# Altium PCB Radio PCB.PcbDoc
Units mil, origin at the board's own origin, x right, y up, seen from the top; angles counter-clockwise.
Board outline 1400 x 1660 mil, 2 copper layers (Top Layer, Bottom Layer); 51 components, 52 nets, 284 pads, 182 vias.
Unrouted connection lines stored in the file: 4.
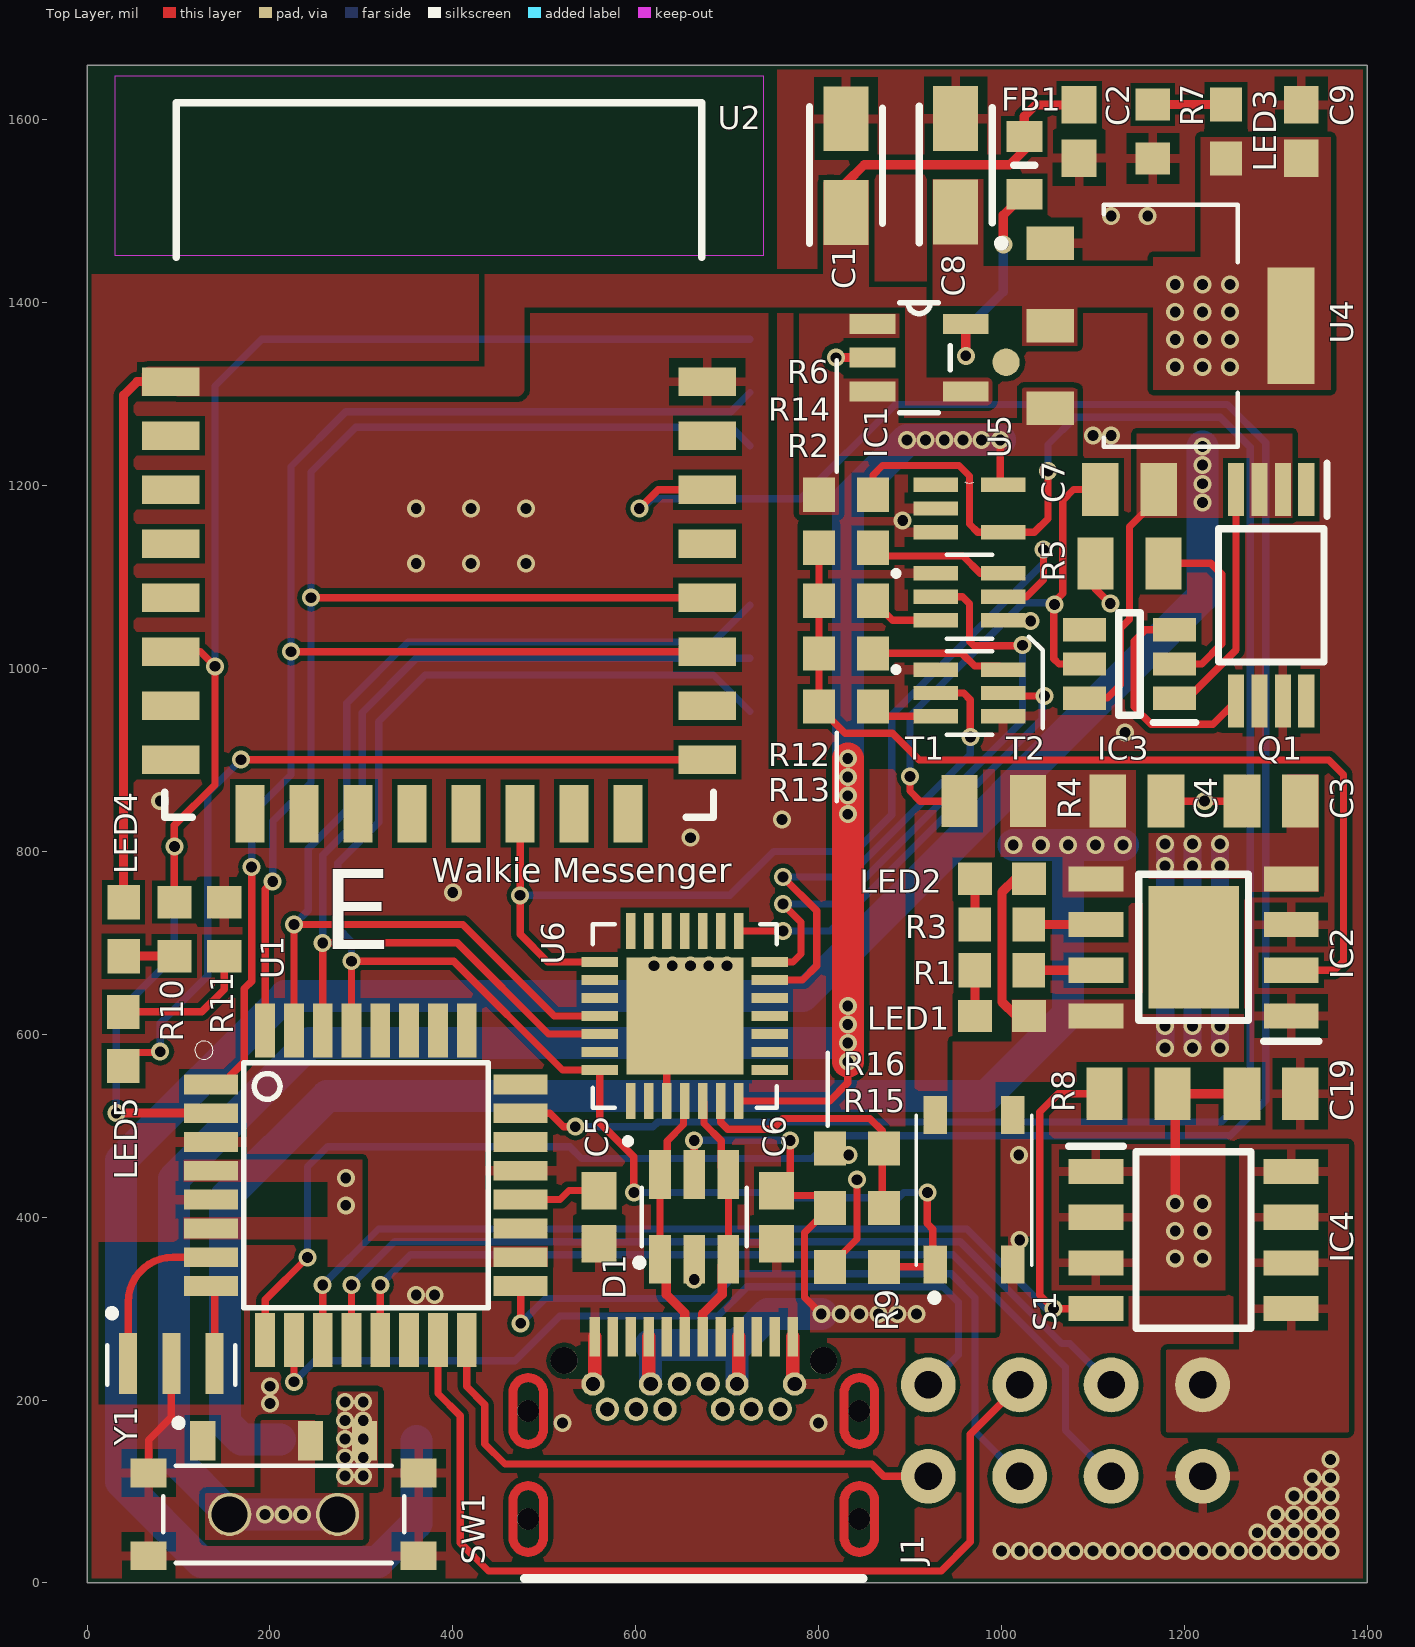
[diagram p0: Top Layer view]
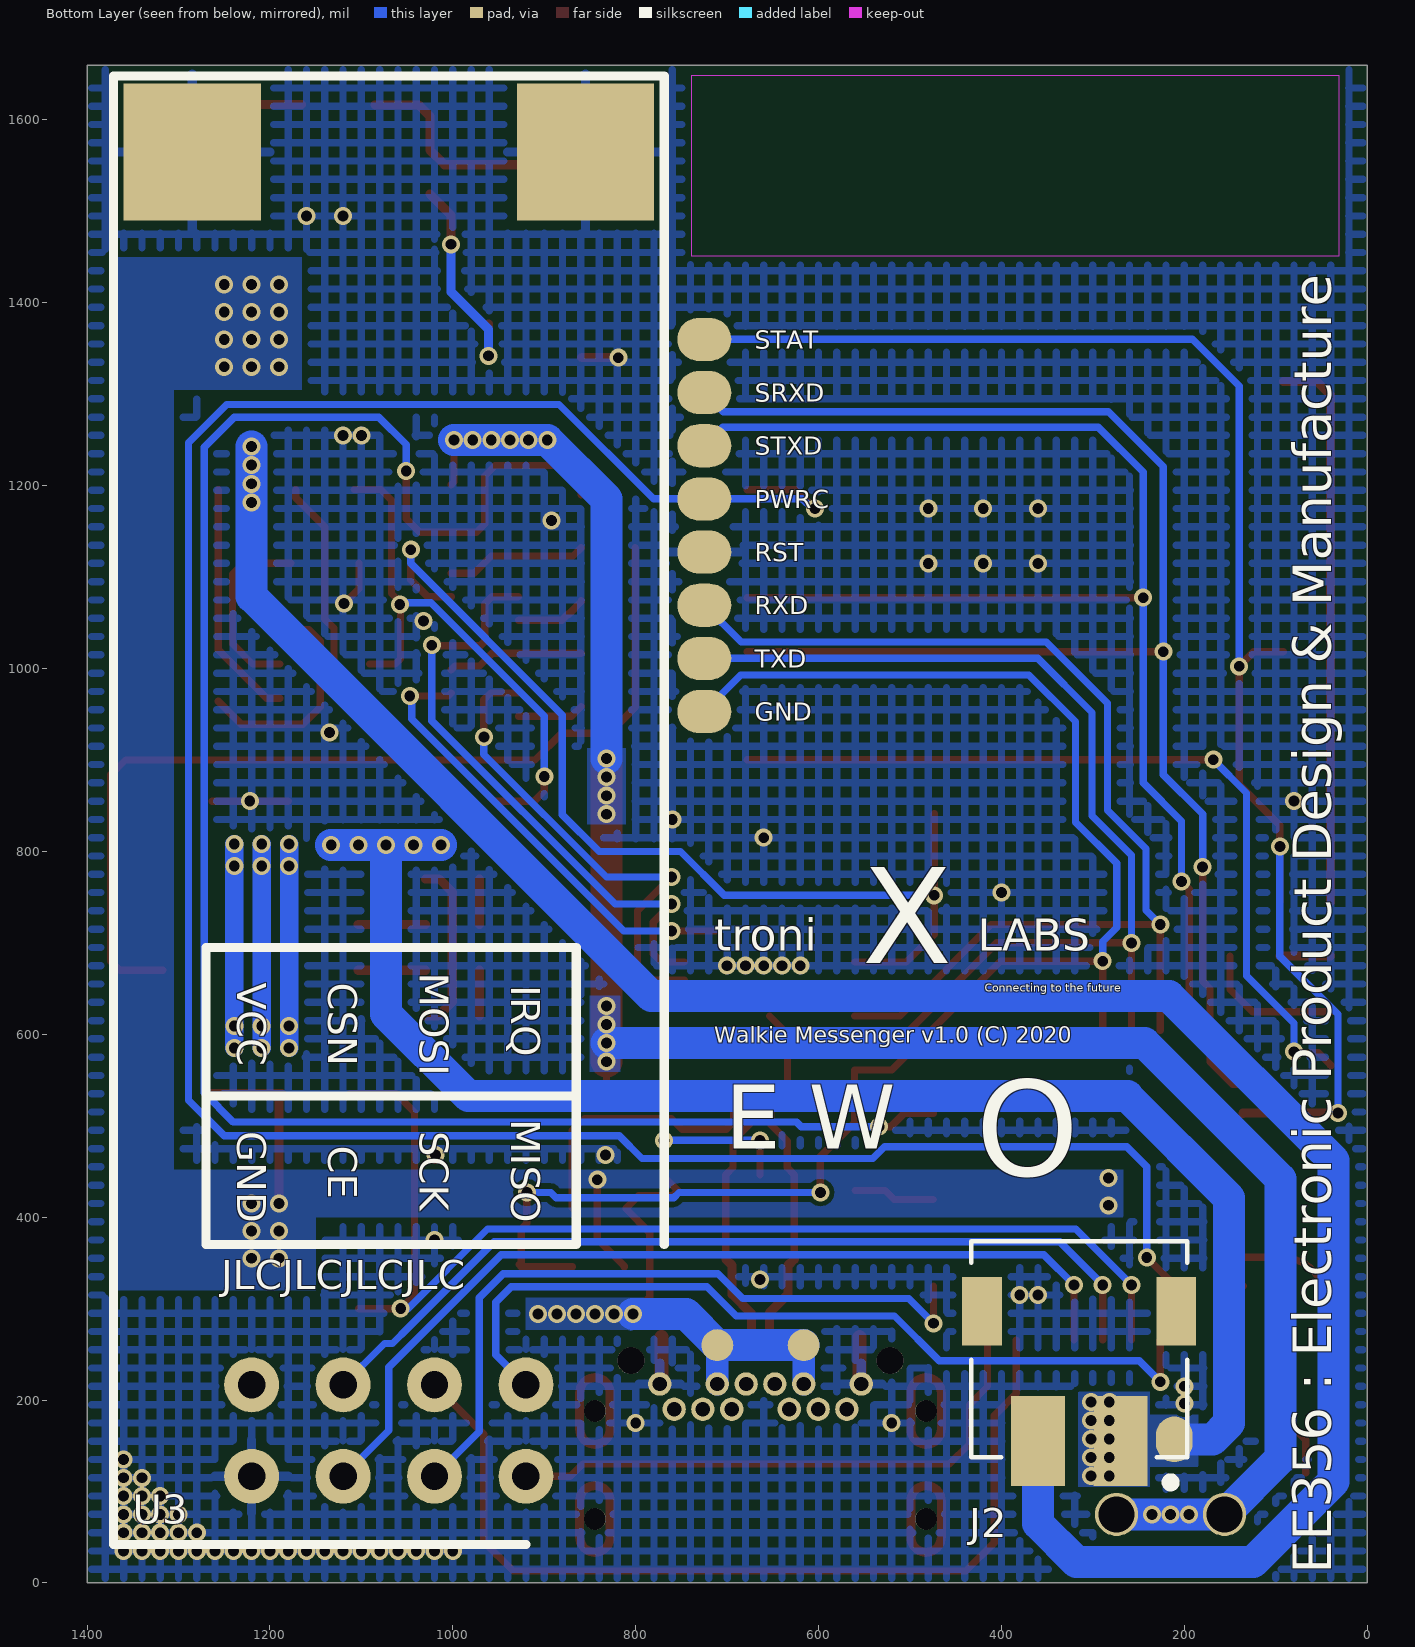
[diagram p1: Bottom Layer view, seen from below]

## Layer stack, top to bottom
Top Solder: solder mask 0.4, Solder Resist, Dk 3.5
Top Layer: signal copper 1.4
Dielectric 1: dielectric 12.6, FR-4, Dk 4.8
Bottom Layer: signal copper 1.4
Bottom Solder: solder mask 0.4, Solder Resist, Dk 3.5

## Board outline
0,0 0,1660 1400,1660 1400,0

## Design rules (kind name [scope] priority, off if disabled: settings)
Clearance [All] p1: gap=6 ignorepadtopadclearanceinfootprint=FALSE except(0: Arc-Hole Track-Hole SMDPad-Hole THPad-Hole Via-Hole Fill-Hole Poly-Hole Region-Hole Text-Hole; 5: THPad-THPad THPad-Poly Via-Poly)
Height [All] p1: minheight=0 maxheight=10000 prefheight=500
HoleToHoleClearance [All] p1: gap=6 allowstackedmicrovias=TRUE
MinimumSolderMaskSliver [All] p1: minsoldermaskwidth=0.9
PolygonConnect [All] p1: connectstyle=Relief reliefconductorwidth=10 reliefentries=4 polygonreliefangle="90 Angle" airgapwidth=10
RoutingVias [All] p1: holewidth=19.68 width=31.5 viastyle="Through Hole" minholewidth=11.81 minwidth=19.68 maxholewidth=27.56 maxwidth=39.37
SilkToSilkClearance [All] p1: silktosilkclearance=3
SilkToSolderMaskClearance [IsPad] p1: minsilkscreentomaskgap=1 clearancetoexposedcopper=TRUE
SolderMaskExpansion [All] p1: expansion=4
Width [All] p1: maxlimit=50 minlimit=6 preferedwidth=8
25 further rules are at their usual default settings.

## Classes and differential pairs
component class power: C1 C2 C3 C4 C7 C8 C9 C19 FB1 IC1 IC2 IC3 IC4 J2 LED1 LED2 LED3 Q1 R1 R2 R3 R4 R5 R6 R7 R8 R12 R13 R14 SW1 T1 T2 U4 U5
component class Radio: C5 C6 D1 J1 LED4 LED5 R9 R10 R11 R15 R16 S1 U1 U2 U3 U6 Y1

## Components (designator, comment, footprint, x,y, rotation, side; value= is the part's Value field where it differs from the comment)
C1 "tantalum capacitor 1206" CAPPM3216X180N 830,1550 r90 top value=10uF
C2 "capacitor 0603" *CAPC1608X95N 1085,1587.36 r90 top value=0.1uF
C3 "08055A101JAT2A" CAPC2012X94N 1295,855 r180 top value=10uF
C4 "08055A101JAT2A" CAPC2012X94N 1148,855 r0 top value=10uF
C5 "capacitor 0603" *CAPC1608X95N 560,400 r90 top value=0.1uF
C6 "capacitor 0603" *CAPC1608X95N 754,400 r90 top value=0.1uF
C7 "08055A101JAT2A" CAPC2012X94N 1140,1195.77 r0 top value=0.1uF
C8 "tantalum capacitor 1206" CAPPM3216X180N 950,1550.35 r90 top value=10uF
C9 "capacitor 0603" *CAPC1608X95N 1327.87,1587.36 r90 top value=0.1uF
C19 "08055A101JAT2A" CAPC2012X94N 1295,535 r180 top value=4.7uF
D1 "USBLC6-2SC6" *SOT95P280X145-6N 664,400.26 r90 top
FB1 "inductor 0603" BEADC1608X95N 1025,1550.35 r90 top value=10uH
IC1 "TPS62203" SOT95P280X145-5N 910,1340 r0 top
IC2 "TP4056" SOIC127P600X175-9N 1210.18,695 r180 top
IC3 "DW01-P" SOT95P280X135-6N 1140,1005 r180 top
IC4 "SI4143DY-T1-GE3" SI4143DY-T1-GE3 1210,375 r0 top
J1 "DX07S024XJ1R1100" *JAE_DX07S024XJ1R1100_DX07S024XJ1R1100(Primary) 663.5,243.15 r0 top
J2 "S2B-ZR-SM4A-TF(LF)(SN)" *JST_S2B-ZR-SM4A-TF(LF)(SN)_S2B-ZR-SM4A-TF(LF)(SN)(Primary) 315,240 r0 bottom
LED1 "HSMR-C191" *0603 1000.47,620 r0 top value=Red
LED2 "HSMR-C191" *0603 1000.47,770 r0 top value=Green
LED3 "HSMR-C191" *0603 1245.54,1587.36 r270 top value=Green
LED4 "HSMR-C191" *0603 40,715 r90 top value=Red
LED5 "HSMR-C191" *0603 39.72,595 r270 top value=Orange
Q1 "FS8205A" SOP65P640X120-8N 1295,1080 r270 top
R1 "resistor" RESC1608X55N 1000.47,670 r180 top value=1K
R2 "resistor" RESC1608X55N 830,1074.25 r180 top value=1.2K
R3 "resistor" RESC1608X55N 1000.47,720 r180 top value=1K
R4 "CPF0805" RESC2012X65N 991.61,855 r180 top value=100
R5 "CPF0805" RESC2012X65N 1140,1115 r180 top value=1K
R6 "resistor" RESC1608X55N 830,1190 r0 top value=470K
R7 "resistor" RESC1608X55N 1165.56,1587.36 r270 top value=1K
R8 "CPF0805" RESC2012X65N 1149.88,535 r180 top value=10K
R9 "resistor" RESC1608X55N 842,345.67 r180 top value=10K
R10 "resistor" RESC1608X55N 95.49,715 r270 top value=1K
R11 "resistor" RESC1608X55N 150,715 r270 top value=1K
R12 "resistor" RESC1608X55N 830,1016.38 r180 top value=10K
R13 "resistor" RESC1608X55N 830,958.5 r180 top value=10K
R14 "resistor" RESC1608X55N 830,1132.13 r180 top value=2K
R15 "resistor" RESC1608X55N 842,410 r180 top value=22.1K
R16 "resistor" RESC1608X55N 842,475 r0 top value=47.5K
S1 "PTS810SJK250SMTRLFS" *PTS810SJG250SMTRLFS 970,430 r90 top
SW1 "1437575-1" *SW_MLL1200S_MLL1200S(Primary) 215,75 r0 top
T1 "PMGD780SN" *SOP65P210X110-6N 965,973.27 r0 top
T2 "PMGD780SN" *SOP65P210X110-6N 965,1078.49 r0 top
U1 "ATMEGA328P-AN" *QFP80P900X900X120-32N 305,435 r0 top
U2 "JDY-23" *JDY-23 385,1235 r0 top
U3 "NRF24L01P+" NRF24L01P+ 1070,845 r270 bottom
U4 "AMS1117" *SOT229P700X180-4N 1185,1375 r0 top
U5 "LMS33460MG" *SOT65P210X110-5N 965,1175 r0 top
U6 "CP2102N-A01-GQFN28" *QFN50P500X500X80-29N 653.66,620 r90 top
Y1 "PBRC8.00MR10X000" *XTAL_PBRC8.00MR10X000 92.24,240 r0 top

## Footprints (in the part's own frame and the unit in brackets; to place one, negate y for a bottom-side part, rotate by r counter-clockwise, add the part's x,y. Pads: shape width x height; smd on the part's side, far side on the other; paste and mask are expansions set on the pad)
*0603 [mm]
  rect 0.95x0.9 smd: 1(-0.75,0) 2(0.75,0)
  body extent -0.8,-0.4 0.8,0.4, height 0.6
*CAPC1608X95N [mm]
  rect 1.04x0.97 smd: 1(-0.74,0) 2(0.74,0)
  body extent -0.85,-0.45 0.85,0.45, height 0.9
*JAE_DX07S024XJ1R1100_DX07S024XJ1R1100(Primary) [mm]
  rect 0.3x1.1 smd: A1(-2.75,0.66) A2(-2.25,0.66) A3(-1.75,0.66) A4(-1.25,0.66) A5(-0.75,0.66) A6(-0.25,0.66) A7(0.25,0.66) A8(0.75,0.66) A9(1.25,0.66) A10(1.75,0.66) A11(2.25,0.66) A12(2.75,0.66)
  round 0.65 hole 0.4: B1(2.8,-0.65) B2(2.4,-1.35) B3(1.6,-1.35) B4(1.2,-0.65) B5(0.8,-1.35) B6(0.4,-0.65) B7(-0.4,-0.65) B8(-0.8,-1.35) B9(-1.2,-0.65) B10(-1.6,-1.35) B11(-2.4,-1.35) B12(-2.8,-0.65)
  round 0.6 hole 0.6 unplated: None(-4.6,-4.4) None(-4.6,-1.4) None(4.6,-4.4) None(4.6,-1.4)
  round 0.75 hole 0.75 unplated: None(-3.6,0) None(3.6,0)
  Top Layer lines w0.25: -5.025,-4.9 ccw(c-4.6,-4.9) -4.6,-5.325 ccw(c-4.6,-4.9) -4.175,-4.9 -4.175,-3.9 ccw(c-4.6,-3.9) -4.6,-3.475 ccw(c-4.6,-3.9) -5.025,-3.9 -5.025,-4.9 ; -5.025,-1.9 ccw(c-4.6,-1.9) -4.6,-2.325 ccw(c-4.6,-1.9) -4.175,-1.9 -4.175,-0.9 ccw(c-4.6,-0.9) -4.6,-0.475 ccw(c-4.6,-0.9) -5.025,-0.9 -5.025,-1.9 ; 4.175,-4.9 ccw(c4.6,-4.9) 4.6,-5.325 ccw(c4.6,-4.9) 5.025,-4.9 5.025,-3.9 ccw(c4.6,-3.9) 4.6,-3.475 ccw(c4.6,-3.9) 4.175,-3.9 4.175,-4.9 ; 4.175,-1.9 ccw(c4.6,-1.9) 4.6,-2.325 ccw(c4.6,-1.9) 5.025,-1.9 5.025,-0.9 ccw(c4.6,-0.9) 4.6,-0.475 ccw(c4.6,-0.9) 4.175,-0.9 4.175,-1.9
  silkscreen extent -4.7,-6.05 4.7,-6.05, body extent -4.7,-8.87 4.7,0.89, height 3.45
*JDY-23 [mm]
  rect 1.6x0.8 smd: 1(-7.45,2) 2(-7.45,0.5) 3(-7.45,-1) 4(-7.45,-2.5) 5(-7.45,-4) 6(-7.45,-5.5) 7(-7.45,-7) 8(-7.45,-8.5) 17(7.45,-8.5) 18(7.45,-7) 19(7.45,-5.5) 20(7.45,-4) 21(7.45,-2.5) 22(7.45,-1) 23(7.45,0.5) 24(7.45,2)
  rect 0.8x1.6 smd: 9(-5.25,-10) 10(-3.75,-10) 11(-2.25,-10) 12(-0.75,-10) 13(0.75,-10) 14(2.25,-10) 15(3.75,-10) 16(5.25,-10)
  Keep-Out Layer region: -9,10.5 9,10.5 9,5.5 -9,5.5
  Keep-Out Layer region: -9,10.5 9,10.5 9,5.5 -9,5.5
  Keep-Out Layer region: -9,10.5 9,10.5 9,5.5 -9,5.5
  Keep-Out Layer region: -9,10.5 9,10.5 9,5.5 -9,5.5
  Keep-Out Layer region: -9,10.5 9,10.5 9,5.5 -9,5.5
  Keep-Out Layer region: -9,10.5 9,10.5 9,5.5 -9,5.5
  Keep-Out Layer region: -9,10.5 9,10.5 9,5.5 -9,5.5
  Keep-Out Layer region: -9,10.5 9,10.5 9,5.5 -9,5.5
  Keep-Out Layer region: -9,10.5 9,10.5 9,5.5 -9,5.5
  silkscreen extent -7.62,-10.1 7.62,9.75, body extent -7.51,-10 7.51,9.89, height 2.08
*JST_S2B-ZR-SM4A-TF(LF)(SN)_S2B-ZR-SM4A-TF(LF)(SN)(Primary) [mm]
  rect 1.5x2.5 smd: 1(-1.15,2.15) 2(1.15,2.15)
  rect 1.1x1.9 smd: S1(-2.7,-1.45) S2(2.7,-1.45)
  silkscreen extent -3,-3.4 3,3.4, body extent -3,-3.43 3,3.07, height 3.7
*PTS810SJG250SMTRLFS [mm]
  rect 1.05x0.65 smd: 1(-2.075,1.075) 2(2.075,1.075) 3(-2.075,-1.075) 4(2.075,-1.075)
  silkscreen extent -3.1,-1.6 2.07,1.6, body extent -3.4,-1.75 3.4,1.75, height 4.48
*QFN50P500X500X80-29N [mm]
  rect 1.01x0.27 smd: 1(-2.36,1.5) 2(-2.36,1) 3(-2.36,0.5) 4(-2.36,0) 5(-2.36,-0.5) 6(-2.36,-1) 7(-2.36,-1.5) 15(2.36,-1.5) 16(2.36,-1) 17(2.36,-0.5) 18(2.36,0) 19(2.36,0.5) 20(2.36,1) 21(2.36,1.5)
  rect 0.27x1.01 smd: 8(-1.5,-2.36) 9(-1,-2.36) 10(-0.5,-2.36) 11(0,-2.36) 12(0.5,-2.36) 13(1,-2.36) 14(1.5,-2.36) 22(1.5,2.36) 23(1,2.36) 24(0.5,2.36) 25(0,2.36) 26(-0.5,2.36) 27(-1,2.36) 28(-1.5,2.36)
  rect 3.25x3.25 smd: 29(0,0)
  silkscreen extent -3.55,-2.55 2.55,2.55, body extent -2.5,-2.5 2.5,2.5, height 0.78
*QFP80P900X900X120-32N [mm]
  rect 1.5x0.55 smd: 1(-4.3,2.8) 2(-4.3,2) 3(-4.3,1.2) 4(-4.3,0.4) 5(-4.3,-0.4) 6(-4.3,-1.2) 7(-4.3,-2) 8(-4.3,-2.8) 17(4.3,-2.8) 18(4.3,-2) 19(4.3,-1.2) 20(4.3,-0.4) 21(4.3,0.4) 22(4.3,1.2) 23(4.3,2) 24(4.3,2.8)
  rect 0.55x1.5 smd: 9(-2.8,-4.3) 10(-2,-4.3) 11(-1.2,-4.3) 12(-0.4,-4.3) 13(0.4,-4.3) 14(1.2,-4.3) 15(2,-4.3) 16(2.8,-4.3) 25(2.8,4.3) 26(2,4.3) 27(1.2,4.3) 28(0.4,4.3) 29(-0.4,4.3) 30(-1.2,4.3) 31(-2,4.3) 32(-2.8,4.3)
  silkscreen extent -4.75,-3.4 3.4,4, body extent -4.5,-4.5 4.5,4.5, height 1
*SOP65P210X110-6N [mm]
  rect 1.24x0.4 smd: 1(-0.935,0.65) 2(-0.935,0) 3(-0.935,-0.65) 4(0.935,-0.65) 5(0.935,0) 6(0.935,0.65)
  silkscreen extent -2.11,-1.16 0.63,1.16, body extent -1.05,-1 1.05,1, height 1.09
*SOT65P210X110-5N [mm]
  rect 1.24x0.4 smd: 1(-0.935,0.66) 2(-0.935,0) 3(-0.935,-0.66) 4(0.935,-0.66) 5(0.935,0.66)
  silkscreen extent -0.13,0.71 0.12,0.74, body extent -1.01,-1.01 1.09,0.99, height 0.92
*SOT95P280X145-6N [mm]
  rect 1.36x0.6 smd: 1(-1.175,0.95) 2(-1.175,0) 3(-1.175,-0.95) 4(1.175,-0.95) 5(1.175,0) 6(1.175,0.95)
  silkscreen extent -1.37,-1.46 0.81,1.62, body extent -1.43,-1.46 1.37,1.46, height 1.42
*SOT229P700X180-4N [mm]
  rect 1.31x0.93 smd: 1(-3.345,2.29) 2(-3.345,0) 3(-3.345,-2.29)
  rect 1.31x3.24 smd: 4(3.345,0)
  silkscreen extent -4.8,-3.36 1.86,3.36, body extent -3.63,-3.25 3.37,3.25, height 1.78
*SW_MLL1200S_MLL1200S(Primary) [mm]
  rect 0.7x1.1 smd: 1(-2.25,2.05) 2(0.75,2.05) 3(2.25,2.05)
  rect 1x0.8 smd: G1(-3.75,1.15) G2(3.75,1.15) G3(-3.75,-1.15) G4(3.75,-1.15)
  round 1.2 hole 1: None(-1.5,0) None(1.5,0)
  silkscreen extent -3.35,-1.35 3.35,2.64, body extent -3.85,-2.85 3.85,2.25, height 1.5
*XTAL_PBRC8.00MR10X000 [mm]
  rect 0.5x1.7 smd: 1(-1.2,0) 2(0,0) 3(1.2,0)
  silkscreen extent -1.78,-0.59 1.78,1.5, body extent -1.6,-0.65 1.6,0.65, height 0.7
BEADC1608X95N [mm]
  rect 0.85x1 smd: 1(-0.8,0) 2(0.8,0)
  silkscreen extent 0,-0.3 0,0.3, body extent -0.8,-0.4 0.8,0.4, height 0.95
CAPC2012X94N [mm]
  rect 1.02x1.47 smd: 1(-0.81,0) 2(0.81,0)
  body extent -1,-0.63 1,0.63, height 0.94
CAPPM3216X180N [mm]
  rect 1.8x1.25 smd: 1(-1.3,0) 2(1.3,0)
  silkscreen extent -2.16,-1.02 1.64,1.02, body extent -1.6,-0.8 1.6,0.8, height 1.8
NRF24L01P+ [mil]
  round 60 hole 30: 1(628.35,150) 2(628.35,50) 3(628.35,-50) 4(628.35,-150) 5(728.35,-150) 6(728.35,-50) 7(728.35,50) 8(728.35,150)
  rect 150x150 smd: 9(-720,-215) 10(-720,215)
  silkscreen extent -803,-301 803,301, body extent -2098,-300 815,300, height 3663
RESC1608X55N [mm]
  rect 0.9x0.95 smd: 1(-0.75,0) 2(0.75,0)
  body extent -0.77,-0.4 0.77,0.4, height 0.55
RESC2012X65N [mm]
  rect 1x1.45 smd: 1(-0.95,0) 2(0.95,0)
  body extent -1,-0.63 1,0.63, height 0.65
SI4143DY-T1-GE3 [mm]
  rect 1.525x0.7 smd: 1(-2.712,1.905) 2(-2.712,0.635) 3(-2.712,-0.635) 4(-2.712,-1.905) 5(2.712,-1.905) 6(2.712,-0.635) 7(2.712,0.635) 8(2.712,1.905)
  silkscreen extent -3.47,-2.45 1.6,2.61, body extent -3,-2.45 3,2.45, height 1.75
SOIC127P600X175-9N [mm]
  rect 1.525x0.7 smd: 1(-2.712,1.905) 2(-2.712,0.635) 3(-2.712,-0.635) 4(-2.712,-1.905) 5(2.712,-1.905) 6(2.712,-0.635) 7(2.712,0.635) 8(2.712,1.905)
  rect 2.513x3.402 smd: 9(0,0)
  silkscreen extent -3.47,-2.03 1.52,2.61, body extent -3,-2.45 3,2.45, height 1.75
SOP65P640X120-8N [mm]
  rect 1.475x0.45 smd: 1(-2.938,0.975) 2(-2.938,0.325) 3(-2.938,-0.325) 4(-2.938,-0.975) 5(2.938,-0.975) 6(2.938,-0.325) 7(2.938,0.325) 8(2.938,0.975)
  silkscreen extent -3.67,-1.47 1.85,1.55, body extent -3.2,-1.47 3.2,1.47, height 1.2
SOT95P280X135-6N [mm]
  rect 1.2x0.65 smd: 1(-1.25,0.95) 2(-1.25,0) 3(-1.25,-0.95) 4(1.25,-0.95) 5(1.25,0) 6(1.25,0.95)
  silkscreen extent -1.85,-1.43 0.3,1.63, body extent -1.4,-1.43 1.4,1.43, height 1.35
SOT95P280X145-5N [mil]
  rect 50x22 smd: 1(-51,37) 2(-51,0) 3(-51,-37) 4(51,-37) 5(51,37)
  silkscreen extent -21,-60 34,60, body extent -105,-75 55,57, height 153

## Part data
C1 C8: "Capacitor Polarised"
C2 C5 C6 C9: "Capacitor"
C3 C4 C7 C19: "Capacitor", Manufacturer_Name=AVX, Mouser Part Number=581-08055A101J, RS Part Number=0391000P, Allied_Number=70474488, Allied Price/Stock=https://www.alliedelec.com/avx-08055a101jat2a/70474488/, Datasheet Link=https://componentsearchengine.com/Datasheets/1/06031A100FAT2A.pdf, Height=0.94mm, Manufacturer_Part_Number=08055A101JAT2A, Mouser Price/Stock=https://www.mouser.com/Search/Refine.aspx?Keyword=581-08055A101J, RS Price/Stock=http://uk.rs-online.com/web/p/products/0391000P
D1: "USBLC6 Series 2 Line 6 V Uni / Bi-Directional ESD Protection - SOT-23-6", Package="SOT-23-6 STMicroelectronics", Availability=Unavailable, MF=STMicroelectronics, MP=USBLC6-2SC6, Price=None, SnapEDA_Link=https://www.snapeda.com/parts/USBLC6-2SC6/STMicroelectronics/view-part/?ref=snap
FB1: "Ferrite Bead"
IC1 IC4: "Integrated Circuit"
IC2: "Integrated Circuit", Manufacturer_Name="NanJing Top Power", Datasheet Link=https://dlnmh9ip6v2uc.cloudfront.net/datasheets/Prototyping/TP4056.pdf, Height=1.75mm, Manufacturer_Part_Number=TP4056
IC3: "Integrated Circuit", Manufacturer_Name="Fortune Semiconductor Corporation", ComponentLink1Description=DW01, ComponentLink1URL=https://lcsc.com/product-detail/MOSFET_DW01_C181096.html, Datasheet Link=https://cdn.sparkfun.com/assets/learn_tutorials/2/5/1/DW01-P_DataSheet_V10.pdf, Height=1.35mm, Manufacturer_Part_Number=DW01-P
J1: "Cut Tape - Usb Type c Receptacle Mid Mnt Dual r", Package=None, Availability=Unavailable, MF="JAE Electronics", MP=DX07S024XJ1R1100, Price=None, SnapEDA_Link=https://www.snapeda.com/parts/DX07S024XJ1R1100/JAE%20Electronics/view-part/?ref=snap
J2: "Connector Header Surface Mount, Right Angle 2 position 0.059 _1.50mm_", Package=None, Availability=Unavailable, MF="JST Sales", MP=S2B-ZR-SM4A-TF_LF__SN_, Price=None, SnapEDA_Link=https://www.snapeda.com/parts/S2B-ZR-SM4A-TF%28LF%29%28SN%29/JST%20Sales%20America%20Inc./view-part/567593/?ref=snap
LED1 LED2 LED3 LED4 LED5: "LED Indication - Discrete 3.4V 0603 _1608 Metric_", Package="0603 Broadcom", Availability=Unavailable, MF="Broadcom Limited", MP=HSMR-C191, Price=None, SnapEDA_Link=https://www.snapeda.com/parts/HSMR-C191/Broadcom%20Limited/view-part/2190324/?ref=snap
Q1: "Transistor", Manufacturer_Name="SII Semiconductor", Datasheet Link=http://www.ic-fortune.com/upload/Download/FS8205A-DS-12_EN.pdf, Height=1.2mm, Manufacturer_Part_Number=FS8205A
R1 R2 R3 R6 R7 R9 R10 R11 R12 R13 R14 R15 R16: "Resistor"
R4 R5 R8: "Resistor", Manufacturer_Name="TE Connectivity", Manufacturer_Part_Number=CPF0805B100KE, Mouser Part Number=279-CPF0805B100KE, RS Part Number=6662673, Allied_Number=70286772, Allied Price/Stock=https://www.alliedelec.com/te-connectivity-cpf0805b100ke/70286772/, Datasheet Link=http://docs-europe.electrocomponents.com/webdocs/13d1/0900766b813d116f.pdf, Height=0.65mm, Mouser Price/Stock=https://www.mouser.com/Search/Refine.aspx?Keyword=279-CPF0805B100KE, RS Price/Stock=https://uk.rs-online.com/web/p/products/6662673
S1: "Tactile Switch SPST-NO Top Actuated Surface Mount", Package=None, Availability=Unavailable, MF=C&K, MP="PTS810 SJK 250 SMTR LFS", Price=None, SnapEDA_Link=https://www.snapeda.com/parts/PTS810%20SJK%20250%20SMTR%20LFS/C%26K/view-part/3076435/?ref=snap
SW1: library part MLL1200S, "Slide Switch SPDT Surface Mount, Right Angle", Package=None, Availability=Unavailable, MF="TE Connectivity", MP=MLL1200S, Price=None, SnapEDA_Link=https://www.snapeda.com/parts/MLL1200S/TE%20Connectivity%20ALCOSWITCH%20Switches/view-part/1494234/?ref=snap, TE_purchase_URL=https://www.te.com/usa-en/product-1437575-1.html?te_bu=Cor&te_type=disp&te_campaign=seda_glo_cor-seda-global-disp-prtnr-fy19-seda-model-bom-cta_sma-317_1&elqCampaignId=32493
T1 T2: "Mosfet Array 2 N-Channel _Dual_ 20V 1.2A 390mW Surface Mount 6-TSSOP", Package="SOT-363 NXP Semiconductors", Availability=Unavailable, MF="NXP Semiconductors", MP=PMGD780SN, Price=None, SnapEDA_Link=https://www.snapeda.com/parts/PMGD130UN/NXP%20Semiconductors/view-part/4258135/?ref=snap
U1: "AVR AVR® ATmega Microcontroller IC 8-Bit 20MHz 32KB _16K x 16_ FLASH 32-TQFP _7x7_", Package="TQFP-32 Microchip", Availability=Unavailable, MF=Microchip, MP=ATMEGA328P-AN, Price=None, SnapEDA_Link=https://www.snapeda.com/parts/ATMEGA328P-AN/Microchip/view-part/1227245/?ref=snap
U2: "Bluetooth Bluetooth v4.0 Transceiver Module 2.4GHz Integrated, Chip Surface Mount", Package=None, Availability=Unavailable, MF="Sierra Wireless", MP=JDY-23, Price=None, SnapEDA_Link=https://www.snapeda.com/parts/BC118/Sierra%20Wireless/view-part/48683/?ref=snap
U4: "1A LOW DROPOUT VOLTAGE REGULATOR", Package="SOT-223 Seeed Technology", Availability=Unavailable, MF="Seeed Technology", MP=AMS1117, Price=None, SnapEDA_Link=https://www.snapeda.com/parts/AMS1117/Seeed%20Technology%20Co.%2C%20Ltd/view-part/?ref=snap
U5: "3V Under Voltage Detector 5-SC70 -40 to 85", Package="SC-70 Texas Instruments", Availability=Unavailable, MF="Texas Instruments", MP=LMS33460MG/NOPB, Price=None, SnapEDA_Link=https://www.snapeda.com/parts/LMS33460MG/NOPB/Texas%20Instruments/view-part/16255/?ref=snap
U6: "USB Bridge, USB to UART USB 2.0 UART Interface 28-QFN _5x5_", Package="QFN-28 Silicon Labs", Availability=Unavailable, MF="Silicon Labs", MP=CP2102N-A01-GQFN28, Price=None, SnapEDA_Link=https://www.snapeda.com/parts/CP2102N-A01-GQFN28/Silicon%20Labs/view-part/554799/?ref=snap
Y1: "8MHz Ceramic Resonator Built in Capacitor 15pF ±0.1% -40°C ~ 85°C Surface Mount", Package="SMD-3 AVX / Kyocera", Availability=Unavailable, MF="Kyocera International", MP=PBRC8.00MR10X000, Price=None, SnapEDA_Link=https://www.snapeda.com/parts/PBRC8.00MR10X000/Kyocera%20International%20Inc.%20Electronic%20Components/view-part/481757/?ref=snap

## Free pads (board coordinates)
  round 30 smd: 0(1005,1335)
  oval 59.06x47.24 smd far side: 26(725,953) 27(725,1011.14) 28(725,1069.29) 28(725,1127.43) 28(725,1185.57) 28(725,1243.71) 28(725,1301.86) 28(725,1360)
  round 35 smd far side: 28(616.26,260) 28(710.75,260)
  oval 40x50 smd far side: 31(211,157)

## Via types
v1: diameter 19.68, hole 11.81, Top Layer to Bottom Layer, tented both sides, 182 vias

## Nets (pads, with @x,y where several pads share a name; then routed paths per layer and width w, separated by ;. In a path a pad name is that pad's centre, name@x,y a point inside that pad or via, vN(x,y) a via of type N, cw(c..) or ccw(c..) an arc to the next point about the centre after c; other vN are vias at no path point)
3V3: C8.1 C9.1 C19.2 IC4.1 IC4.2 IC4.3 LED3.2 R8.1 R9.2 U1.4 U1.6 U1.18 U4.2 U4.4 | length 304.5
  Top Layer w8: R9.2 812.47,346.65 842,376.18 v1(842,441)
  Top Layer w10: v1(1190,415) 1190,532.28 R8.1 C19.2
  other v1: 1190,355 1220,355 1190,385 1220,385 283,413 1220,415 283,443 1190,1330 1220,1330 1250,1330 1190,1360 1220,1360 1250,1360 1190,1390 1220,1390 1250,1390 1190,1420 1220,1420 1250,1420
3V3_BT: C1.1 C2.2 FB1.2 IC1.4 LED4.2 U2.1 | length 956.5
  Top Layer w10: LED4.2 40,1299 54.74,1313.74 U2.1 ; C1.1 830,1531 850,1551 1009,1551 1025,1567 FB1.2 1025,1604 1037.5,1616.5 C2.2
3V3_NRF: IC4.5 IC4.6 IC4.7 IC4.8 U3.4
ALED: LED5.2 U2.17 | length 913.2
  Top Layer w8: LED5.2 39.72,566.46 53.43,580.17 79.17,580.17 v1(80,581) ; v1(168.35,900.35) U2.17
  Bottom Layer w8: v1(80,581) 80,612 132,664 132,864 v1(168.35,900.35)
CE: U1.13 U3.6 | length 1014.2
  Top Layer w8: U1.13 v1(320.75,326)
  Bottom Layer w8: v1(320.75,326) 353.75,359 947,359 1070,236 1070,166.65 U3.6
CHR0: T1.5 U6.15 | length 500.8
  Top Layer w8: U6.15 v1(761,712.91) ; T1.5 1005.08,970 v1(1047,970)
  Bottom Layer w8: v1(761,712.91) 812.91,712.91 1044.76,944.76 1044.76,967.76 v1(1047,970)
CHR1: T2.2 U6.14 | length 668.8
  Top Layer w8: U6.14 772.06,679.06 780.84,687.84 780.84,722.61 v1(761,742.46) ; T2.2 957.51,1078.49 965,1071 965,1030 970,1025 v1@1023,1025
  Bottom Layer w8: v1(761,742.46) 822.46,742.46 1023,943 v1@1023,1025
  other v1: 1023,1025.5
CHREN: T1.2 U6.13 | length 531.6
  Top Layer w8: U6.13 782.37,659.37 798,675 798,735 v1(761,772) ; T1.2 958.73,973.27 966,966 v1(966,925)
  Bottom Layer w8: v1(761,772) 832,772 966,906 v1(966,925)
CHSW: T2.5 U2.14 U6.22 | length 1118.1
  Top Layer w8: U2.14 v1(473.58,752) 473.58,709.42 503.94,679.06 U6.22 ; T2.5 1027.43,1078.49 1046,1097.06 v1(1046,1130)
  Bottom Layer w8: v1(473.58,752) 703,752 751,800 840,800 880.16,840.16 880.16,949.16 1046,1115 v1(1046,1130)
CSN: U1.12 U3.3 | length 975.3
  Top Layer w8: U1.12 v1(289.25,326)
  Bottom Layer w8: v1(289.25,326) 336.25,373 954.8,373 1047.64,280.16 1065.9,261.9 1074.75,261.9 U3.3
D_N: D1.3 D1.4 J1.A7 U6.5 | length 281.2
  Top Layer w8: U6.5 674.66,525.77 674.66,502.54 693.59,483.61 693.59,454.33 D1.4 D1.3
  Top Layer w10: J1.A7 673.35,294.35 694.59,315.59 694.59,347.19 D1.3
D_P: D1.1 D1.6 J1.A6 U6.4 | length 280.4
  Top Layer w8: D1.1 D1.6 634.41,454.33 634.41,483.41 652.35,501.35 652.35,525.77 U6.4
  Top Layer w10: D1.1 633.41,347.19 633.41,315.59 653.66,295.34 J1.A6
GND: C1.2 C2.1 C3.2 C4.2 C5.1 C6.1 C8.2 C9.2 C19.1 D1.2 IC1.2 IC2.1 IC2.3 J1.A1 J1.A12 J1.B1 J1.B12 pad.28@725,1127.43 Q1.6 Q1.7 R5.2 R7.2 R11.1 R16.1 S1.3 SW1.G1 SW1.G2 SW1.G3 SW1.G4 T1.1 T1.4 T2.1 T2.4 U1.3 U1.5 U1.21 U2.24 U3.5 U3.9 U3.10 U4.1 U5.2 U5.3 U6.3 U6.29 Y1.2 | length 509.9
  Top Layer w8: SW1.G1 67.36,156.36 92.24,181.24 Y1.2 ; U6.3 633.98,600.32 U6.29 ; R5.2 1102.6,1087.4 v1(1119,1071) ; C4.2 v1(1222,855) C3.2
  Top Layer w10: v1(819,1340) IC1.2
  Top Layer w15: J1.B12 555.24,219.53 J1.A1 ; J1.A12 771.77,219.53 J1.B1
  other v1: 1000,35 1020,35 1040,35 1060,35 1080,35 1100,35 1120,35 1140,35 1160,35 1180,35 1200,35 1220,35 1240,35 1260,35 1280,35 1300,35 1320,35 1340,35 1360,35 1280,55 1300,55 1320,55 1340,55 1360,55 1300,75 1320,75 1340,75 1360,75 1320,95 1340,95 1360,95 1340,115 1360,115 1360,135 520,175 800,175 200,196.2 200,215 360,315 380,315 664,332 1020,375 833,468 1019,468 620,675 640,675 660,675 680,675 700,675 400,755 660,815 760,835 80,855 1135,930 1032,1052 360,1115 420,1115 480,1115 892,1162 360,1175 420,1175 480,1175 1100,1255 1120,1255 1120,1495 1160,1495
IRQ: U1.10 U3.1 | length 926.6
  Top Layer w8: v1(226.26,220) U1.10
  Bottom Layer w8: v1(226.26,220) 249.26,243 468,243 517,292 690,292 722,324 936,324 953,307 953,249.65 U3.1
MISO: U1.16 U3.8 | length 621.5
  Top Layer w8: U1.16 415.24,214.76 435,195 435,152 457,130 858,130 871.35,116.65 U3.8
MOSI: U1.15 U3.2 | length 1009.9
  Top Layer w8: U1.15 383.74,207.26 408,183 408,44 439,13 934,13 966,45 966,162.65 U3.2
NetC4_1: C4.1 IC2.5 J2.1 pad.31 R4.1 SW1.3 | length 1623.5
  Bottom Layer w35: pad.31 169,157 151,175 151,421 262.34,532.34 982.99,532.34 1073,622.35 v1(1073,807) ; v1(1013,807) v1(1043,807) v1(1073,807) ; v1(1133,807) v1(1103,807) v1(1073,807)
  other v1: 282,117 302,117 282,137.25 302,137.25 282,157.5 302,157.5 282,177.75 302,177.75 282,198 302,198
NetC5_2: C5.2 U1.20 | length 89.8
  Top Layer w8: U1.20 517.25,419.25 527.13,429.13 C5.2
NetC7_1: C7.1 IC3.5 R4.2 | length 610.1
  Top Layer w8: v1(900,882) 900,866 911,855 R4.2 ; IC3.5 1063,1005 1057.17,1010.83 1057.17,1069.17 v1(1058,1070) 1058,1073.16 1067,1082.16 1067,1184 1078.77,1195.77 C7.1
  Bottom Layer w8: v1(900,882) 900,948.06 1023.78,1071.84 1056.16,1071.84 v1(1058,1070)
NetC7_2: C7.2 IC3.6 J2.2 Q1.2 Q1.3 | length 2697
  Top Layer w8: IC3.6 1091.19,968 1116,968 1130,982 1130,1044 1140,1054 1140,1155.02 1171.89,1186.91 C7.2
  Bottom Layer w35: J2.2 360.28,65.28 318,23 125,23 37,111 37,462 216.66,641.66 782.66,641.66 1220,1079 v1(1220,1181.67) v1(1220,1202.07) v1(1220,1222.47) v1(1220,1242.87)
NetFB1_1: FB1.1 IC1.5 | length 238.4
  Top Layer w10: v1(961,1342) IC1.5 ; v1(1002,1464) 1002,1495.86 FB1.1
  Bottom Layer w10: v1(961,1342) 961,1371 1002,1412 v1(1002,1464)
NetIC2_6: IC2.6 R3.1 | length 73.4
  Top Layer w10: R3.1 IC2.6
NetIC2_7: IC2.7 R1.1 | length 73.4
  Top Layer w10: R1.1 IC2.7
NetIC3_1: IC3.1 Q1.4 | length 264.4
  Top Layer w8: IC3.1 1203.6,967.6 1256.61,1020.61 Q1.4
NetIC3_2: IC3.2 R5.1 | length 205.5
  Top Layer w8: R5.1 1229,1115 1241,1103 1241,1027 1219,1005 IC3.2
NetIC3_3: IC3.3 Q1.5 | length 251.3
  Top Layer w8: IC3.3 1157.4,1042.4 1145,1030 1145,958 1164,939 1231.28,939 Q1.5
NetLED1_1: LED1.1 R1.2 | length 50
  Top Layer w10: LED1.1 R1.2
NetLED2_1: LED2.1 R3.2 | length 50
  Top Layer w10: R3.2 LED2.1
NetLED3_1: LED3.1 R7.1 | length 80
  Top Layer w10: R7.1 LED3.1
NetLED4_1: LED4.1 R10.2 | length 55.5
  Top Layer w10: LED4.1 R10.2
NetLED5_1: LED5.1 R11.2 | length 156.9
  Top Layer w8: LED5.1 125.53,624.53 150,649 R11.2
NetR2_1: R2.1 T2.3 | length 78.1
  Top Layer w8: R2.1 859.53,1073.27 873.24,1059.55 874.23,1059.55 880.88,1052.9 T2.3
NetR12_1: R12.1 T1.6 | length 149.8
  Top Layer w8: R12.1 859.88,1016.73 956.74,1016.73 970.74,1002.73 997.94,1002.73 T1.6
NetR13_1: R13.1 T1.3 | length 73.1
  Top Layer w8: R13.1 870.35,947.68 T1.3
NetR14_1: R14.1 T2.6 | length 153.9
  Top Layer w8: R14.1 868.65,1123 958,1123 976.91,1104.09 T2.6
NetU1_7: U1.7 Y1.1 | length 185.8
  Top Layer w8: Y1.1 45,307 cw(c94.26,307) 94.26,356.26 U1.7
NetU1_8: U1.8 Y1.3 | length 86.3
  Top Layer w8: U1.8 139.49,320.98 Y1.3
NRF_ON/OFF: IC4.4 R8.2 U1.11 | length 1267
  Top Layer w8: U1.11 v1(257.76,326) ; IC4.4 v1(1057,300) 1042,315 1042,515 1062,535 R8.2
  Bottom Layer w8: v1(257.76,326) 318.76,387 962,387 1049,300 v1(1057,300)
PROG: IC2.2 R2.2 R12.2 R13.2 R14.2 | length 1043.8
  Top Layer w8: R14.2 R2.2 R12.2 R13.2 800.47,957.52 828.83,929.17 880.89,929.17 910.06,900 1358,900 1374,884 1374,680 1364,670 IC2.2
PWR_OUT: IC1.1 IC1.3 R6.1 SW1.2 SW1.None U4.3 U5.5 U6.7 | length 2318.4
  Top Layer w8: U6.7 812.09,527.09 832,547 v1(832,570) ; v1(998.67,1250) 998.67,1204.14 U5.5
  Top Layer w35: v1(832,570) v1(832,590.33) v1(832,610.67) v1(832,631) v1(832,840.67) v1(832,861) v1(832,881.33) v1(832,901.67)
  Bottom Layer w35: SW1.None@274.06,75 v1(235.25,75) v1(215,75) v1(194.75,75) 155.94,75 95,135.94 95,442 243.33,590.33 v1(832,590.33) ; v1(832,901.67) 832,1185.33 v1(896.67,1250) v1(917.07,1250) v1(937.47,1250) v1(957.87,1250) v1(978.27,1250) v1(998.67,1250)
PWRC: pad.28@725,1185.57 U1.9 U2.22 | length 2848.7
  Top Layer w8: U1.9 194.76,309.76 v1(241,356) ; v1(604,1175) 624.63,1195.63 U2.22
  Bottom Layer w8: v1(241,356) 241,455 263,477 527.94,477 540.78,464.16 793.16,464.16 818,489 1250,489 1289,528 1289,1247 1247.16,1288.84 883.84,1288.84 780.57,1185.57 725,1185.57 617.73,1185.57 607.16,1175 v1(604,1175)
RESET: pad.26 R9.1 S1.1 U1.29 U6.28 | length 1745.5
  Top Layer w8: U1.29 v1(289.25,680) 401,680 520.06,560.94 U6.28 560.75,503.25 598,466 v1(598,427) ; R9.1@869.53,345.67 S1.1@925.04,345.67 ; v1(919,427) 919,393 925.04,386.96 S1.1@925.04,345.67 ; S1.1 S1.1@925.04,345.67
  Bottom Layer w8: v1(289.25,680) 289.25,701.56 274,716.82 274,787 319,832 319,942 370,993 685,993 pad.26 ; v1(598,427) 752.66,427 758.5,421.16 887.16,421.16 893,427 v1(919,427)
RXD: pad.28@725,1069.29 U1.31 U6.25 | length 1243
  Top Layer w8: U1.31 v1(226.26,720) 411,720 511,620 U6.25
  Bottom Layer w8: v1(226.26,720) 242,735.74 242,803 284,845 284,962 351,1029 684.71,1029 pad.28@725,1069.29
SCK: U1.17 U3.7 | length 786.3
  Top Layer w8: v1(474.29,284) U1.17
  Bottom Layer w8: v1(474.29,284) 501.29,311 683,311 710,338 945,338 971,312 971,165.65 U3.7
SRXD: pad.28@725,1301.86 U1.1 U2.19 | length 1709.4
  Top Layer w8: U1.1 147.17,545.24 172,570.06 172,650 180,658 v1(180,783) ; v1(223,1018.46) U2.19
  Bottom Layer w8: v1(180,783) 180,841 223,884 v1(223,1018.46) 223,1221 283,1281 704.14,1281 pad.28@725,1301.86
SS: U1.14
STAT: pad.28@725,1360 R10.1 U1.2 U2.6 | length 1665.3
  Top Layer w8: U2.6 124.05,1018.46 v1(140,1002.51) 140,873 95.49,828.49 v1(95.49,805.25) R10.1
  Top Layer w10: v1(32,514) 135.45,514 U1.2
  Bottom Layer w8: v1(32,514) 32,622 95.49,685.49 v1(95.49,805.25) ; v1(140,1002.51) 140,1309 191,1360 pad.28@725,1360
STXD: pad.28@725,1243.71 U1.32 U2.20 | length 1573.5
  Top Layer w8: U1.32 194.76,758.76 v1(203,767) ; v1(245,1077.52) U2.20
  Bottom Layer w8: v1(203,767) 203,833 245,875 v1(245,1077.52) 245,1215 294,1264 704.71,1264 pad.28@725,1243.71
TXD: pad.27 U1.30 U6.26 | length 1158.4
  Top Layer w8: U1.30 v1(257.76,700) 405,700 504.68,600.32 U6.26
  Bottom Layer w8: v1(257.76,700) 257.76,795.76 301,839 301,952 360.14,1011.14 pad.27
VBAT: R6.2 U1.23 U5.4 | length 2137.7
  Top Layer w8: U1.23 506.26,513.74 521,499 v1(534,499) ; R6.2 859.53,1211.53 870,1222 953.61,1222 965,1210.61 965,1158 974,1149 U5.4 1036,1149 1051,1164 v1(1051,1216)
  Bottom Layer w8: v1(534,499) 619,499 624,504 1240,504 1272,536 1272,1242 1239.16,1274.84 1080.84,1274.84 1051,1245 v1(1051,1216)
VCC: C3.1 C6.2 D1.5 IC2.4 IC2.8 J1.A4 J1.A9 J1.B4 J1.B9 LED1.2 LED2.2 pad.28@616.26,260 pad.28@710.75,260 R15.2 | length 1653.1
  Top Layer w8: D1.5 v1(664,484) ; v1(769,484) 769,444.13 C6.2 759.42,423.72 796.76,423.72 810.47,410 810.47,409.02 784.55,383.09 784.55,312.45 v1(803,294)
  Top Layer w10: LED1.2 1016,620 1000.65,635.35 1000.65,755.65 1015,770 LED2.2
  Top Layer w15: J1.A4 614.29,219.53 J1.B9 ; J1.B4 712.72,219.53 J1.A9
  Bottom Layer w8: v1(664,484) v1(769,484)
  Bottom Layer w20: v1(1179,585) v1(1179,609) v1(1179,784) v1(1179,808) ; v1(1209,585) v1(1209,609) v1(1209,784) v1(1209,808) ; v1(1239,585) v1(1239,609) v1(1239,784) v1(1239,808)
  Bottom Layer w25: J1.B9 pad.28@616.26,260 ; J1.B4 pad.28@710.75,260
  Bottom Layer w35: pad.28@616.26,260 710.75,260 744.75,294 v1(803,294)
  other v1: 823.8,294 844.6,294 865.4,294 886.2,294 907,294
VDD: R15.1 R16.2 U6.6 | length 297.8
  Top Layer w8: U6.6 693.03,503.97 700.8,496.2 749.2,496.2 761,508 856,508 869.53,494.47 869.53,475 R15.1@869.53,410
pads on no net: IC2.9 IC3.4 J1.A2 J1.A3 J1.A5 J1.A8 J1.A10 J1.A11 J1.B2 J1.B3 J1.B5 J1.B6 J1.B7 J1.B8 J1.B10 J1.B11 J1.None J2.S1 J2.S2 Q1.1 Q1.8 S1.2 S1.4 SW1.1 U1.19 U1.22 U1.24 U1.25 U1.26 U1.27 U1.28 U2.2 U2.3 U2.4 U2.5 U2.7 U2.8 U2.9 U2.10 U2.11 U2.12 U2.13 U2.15 U2.16 U2.18 U2.21 U2.23 U5.1 U6.1 U6.2 U6.8 U6.9 U6.10 U6.11 U6.12 U6.16 U6.17 U6.18 U6.19 U6.20 U6.21 U6.23 U6.24 U6.27

## Polygon pours and split planes (outlines as drawn)
GND on Top Layer "Top Layer-GND" (solid, pour order 0): 755,1655 1395,1655 1395,5 905,5 905,269.13 905,575 905,900 755,900
NetC4_1 on Top Layer "Top Layer-NetC4_1" (solid, pour order 48): 999,889 1147,889 1147,750 1067,750 1067,794 999,794
GND on Top Layer "Top Layer-No Net" (solid, pour order 8): 745,1431 745,890 895,890 895,5 450,5 5,5 5,1431
PWR_OUT on Top Layer "Top Layer-PWR_OUT" (solid, pour order 70): 779,1388 779,1168 822,1168 822,1233 1083,1233 1083,1307 1023,1307 1023,1268 887,1268 887,1317 827,1317 827,1362 888,1362 888,1388
NetC7_2 on Top Layer "Top Layer-NetC7_2" (solid, pour order 78): 1318,1257 1318,1165 1148,1165 1148,1257
3V3_BT on Top Layer "Top Layer-3V3_BT" (solid, pour order 76): 60,1298 478,1298 478,1395 855,1395 895,1395 895,1288 990,1288 990,1318 918,1318 918,1417 855,1417 855,1534 805,1534 805,1431 435,1431 435,1330 60,1330
PWR_OUT on Top Layer "Top Layer-PWR_OUT 1" (solid, pour order 66): 249,178 249,98 302,98 302,47 129,47 129,98 190,98 190,178
NetC4_1 on Top Layer "Top Layer-NetC4_1 1" (solid, pour order 42): 318,209 318,105 274.06,105 274.06,209
VCC on Top Layer "Top Layer-VCC" (solid, pour order 32): 1011,638 1153,638 1153,622 1265,622 1265,570 1082,570 1082,548 993,548 993,274 791,274 791,315 947,315 947,592 1011,592
VCC on Top Layer "Top Layer-VCC 1" (solid, pour order 34): 1347,756 1347,884 1312,884 1312,820 1161,820 1161,770 1269,770 1269,756
3V3 on Top Layer "Top Layer-3V3" (solid, pour order 24): 106,376 263,376 263,346 504,346 504,368 301,368 301,463 106,463 106,439 263,439 263,400 106,400
3V3 on Top Layer "Top Layer-3V3 1" (solid, pour order 22): 1218,1581 1360,1581 1360,1305 1166,1305 1166,1395 1083,1395 1083,1353 1023,1353 1023,1397 925,1397 925,1535 980,1535 980,1440 1166,1440 1166,1450 1218,1450
3V3 on Top Layer "Top Layer-3V3 2" (solid, pour order 12): 1055,320 1055,480 1245,480 1245,320
3V3_NRF on Top Layer "Top Layer-3V3_NRF" (solid, pour order 10): 1180,165 1380,165 1380,480 1260,480 1260,255 1180,255
GND on Bottom Layer "Bottom Layer-No Net" (hatched 90Degree grid 20 track 8, pour order 4): 5,5 1395,5 1395,1655 5,1655
VCC on Bottom Layer "Bottom Layer-VCC" (solid, pour order 80): 791,274 920,274 920,312 791,312
3V3 on Bottom Layer "Bottom Layer-3V3" (solid, pour order 28): 1150,400 1150,320 1375,320 1375,1450 1165,1450 1165,1305 1305,1305 1305,452 267,452 267,400
PWR_OUT on Bottom Layer "Bottom Layer-PWR_OUT" (solid, pour order 62): 811,830 853,830 853,913 811,913
PWR_OUT on Bottom Layer "Bottom Layer-PWR_OUT 1" (solid, pour order 60): 817,559 850,559 850,642 817,642
NetC4_1 on Bottom Layer "Bottom Layer-NetC4_1" (solid, pour order 58): 238,105 316,105 316,209 238,209 238,184 185,184 185,127 238,127
no net on Bottom Layer "Bottom Layer-No Net 1" (solid, pour order 56): 192,103

## Other copper
Top Layer:
  pour cut-out: 12,373 12,195 172,195 172,373

## Silkscreen, mask and mechanical layers (free items; w line width, h text height)
Top Overlay:
  lines w5: 810,500 810,580 ; 820,855 820,930 ; 820,1215 820,1337 ; 1030,1035 1045,1020 1045,935
  text "Walkie Messenger" at 377,757.47 h45
  text "E" at 257,664 h150
Bottom Overlay:
  text "STAT" at 670,1350 h20
  text "SRXD" at 670,1291.86 h20
  text "STXD" at 670,1233.72 h20
  text "PWRC" at 670,1175.57 h20
  text "RST" at 670,1117.43 h20
  text "RXD" at 670,1059.29 h20
  text "TXD" at 670,1001.15 h20
  text "GND" at 670,943 h20
  text "LABS" at 426,679.74 h60
  text "troni" at 714,679.74 h60
  text "Connecting to the future" at 418,643 h15
  text "X" at 552,643 h180
  text "Walkie Messenger v1.0 (C) 2020" at 714.06,585 h30
  text "E W" at 702,452 h120
  text "O" at 428,410.95 h180
  text "JLCJLCJLCJLC" at 1253,321 h31.5
  text "EE356 : Electronic Product Design & Manufacture" at 25,10 h72 r270
Mechanical 1:
  region: 140,1595 650,1595 650,375 140,375
Route Tool Path (Mech10):
  the board outline again, w10

## Dimensions
1400,0 to 0,0 on Mechanical 1
1400,0 to 1400,1660 on Mechanical 1

## Text inside footprints (layer, text, board x,y; h text height)
U3: Bottom Overlay "CE" at 1135.99,477.91 h32 r90; Bottom Overlay "CSN" at 1135.99,656.4 h32 r90; Bottom Overlay "SCK" at 1035.99,493.9 h32 r90; Bottom Overlay "MISO" at 935.99,507.23 h32 r90; Bottom Overlay "MOSI" at 1035.99,667.07 h32 r90; Bottom Overlay "IRQ" at 935.99,653.74 h32 r90; Bottom Overlay "GND" at 1235.99,493.9 h32 r90; Bottom Overlay "VCC" at 1235.99,656.4 h32 r90